# KiCad board the_moon_old.kicad_pcb
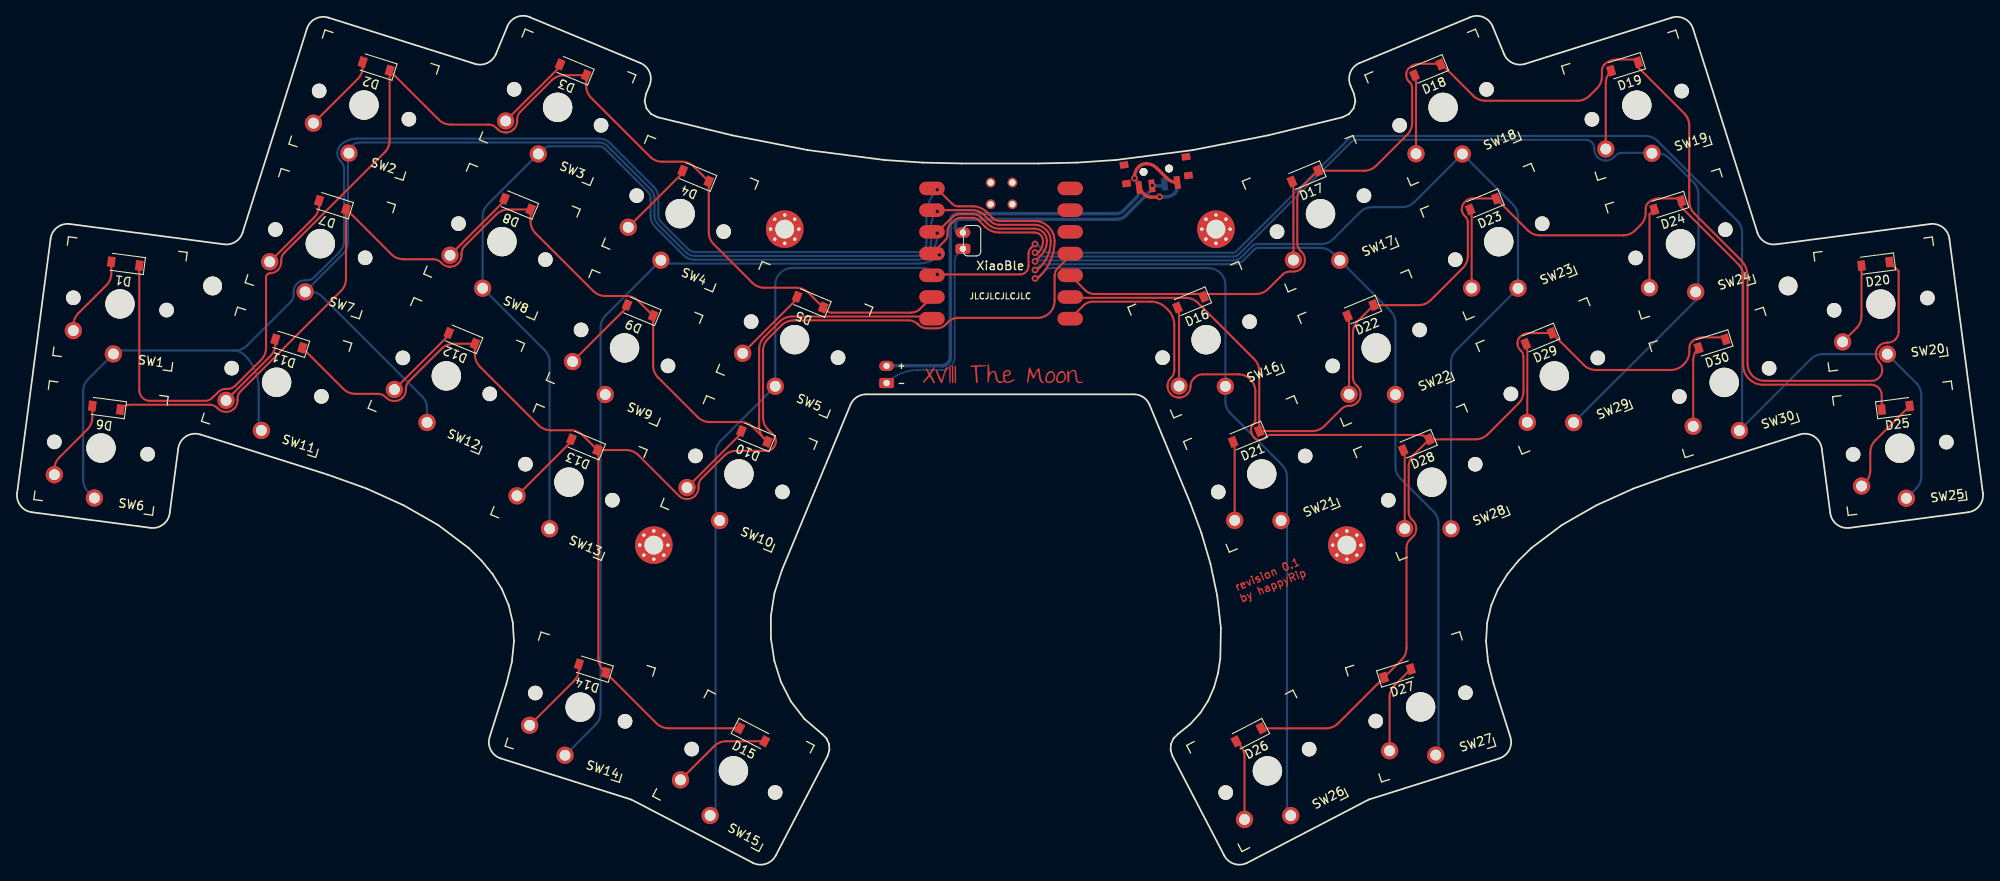
[diagram p0: board, top side]
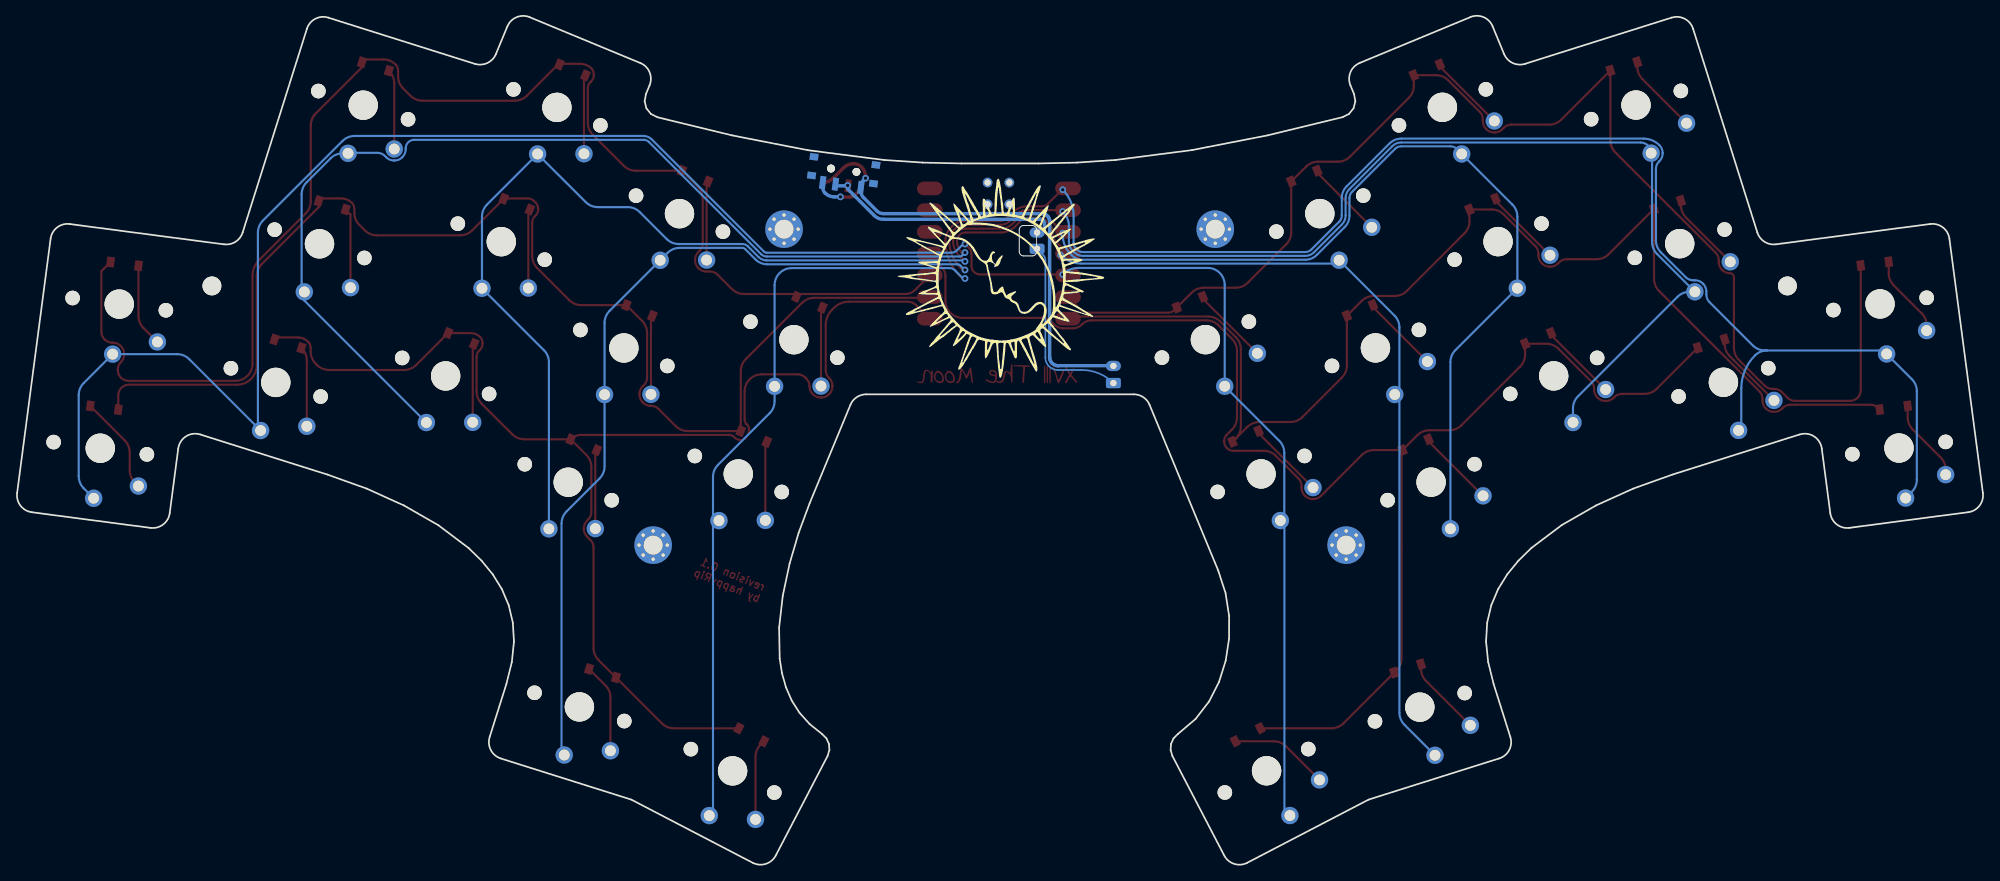
[diagram p1: board, bottom side, seen from below]

Outline 229.9 x 99.29 mm; copper layers: Top, Bottom. Coordinates in mm from the lower left corner of the outline.
Outline path: 57.34,98.05 56,94.81 arc(55,93.76) 53.55,93.67 36.41,99.07 arc(34.89,98.94) 33.9,97.77 26.39,73.94 arc(25.56,72.86) 24.22,72.56 6.18,74.94 arc(4.7,74.54) 3.93,73.21 0.02,43.47 arc(0.41,41.99) 1.74,41.23 15.62,39.4 arc(17.1,39.79) 17.86,41.12 18.86,48.67 arc(19.77,50.1) 21.44,50.32 36.34,45.62 40.9,43.99 45.24,42.02 49.26,39.72 52.8,37.05 54.32,35.57 55.63,33.96 56.71,32.23 57.5,30.35 57.98,28.31 58.11,26.1 57.87,23.71 57.23,21.13 55.27,14.93 arc(55.41,13.41) 56.58,12.43 71.84,7.61 86.03,0.23 arc(87.56,0.09) 88.73,1.08 94.79,12.71 95,13.4 94.95,14.12 94.65,14.78 94.14,15.29 92.09,17.04 90.5,19.09 89.33,21.39 88.56,23.86 88.16,26.44 88.16,29.09 88.57,31.76 89.44,34.42 97.46,53.78 arc(98.19,54.68) 99.3,55.02 130.59,55.02 arc(131.7,54.68) 132.44,53.78 137.21,42.27 138.49,38.82 139.56,35.19 140.35,31.46 140.78,27.72 140.71,24.1 140.44,22.38 139.97,20.74 139.3,19.19 138.38,17.76 137.21,16.45 135.75,15.28 135.24,14.78 134.94,14.12 134.9,13.4 135.11,12.71 141.17,1.08 arc(142.34,0.09) 143.86,0.23 158.06,7.61 173.32,12.43 arc(174.49,13.41) 174.62,14.93 172.67,21.13 172.03,23.71 171.78,26.1 171.91,28.31 172.39,30.35 173.19,32.23 174.26,33.96 175.58,35.57 177.1,37.05 180.64,39.72 184.65,42.02 188.99,43.99 193.56,45.62 208.45,50.32 arc(210.13,50.1) 211.04,48.67 212.03,41.12 arc(212.8,39.79) 214.28,39.4 228.16,41.23 arc(229.48,41.99) 229.88,43.47 225.96,73.21 arc(225.2,74.54) 223.72,74.94 205.67,72.56 arc(204.34,72.86) 203.51,73.94 195.99,97.77 arc(195.01,98.94) 193.48,99.07 176.34,93.67 arc(174.9,93.76) 173.89,94.81 172.55,98.05 arc(171.47,99.13) 169.94,99.13 157.01,93.77 arc(155.92,92.69) 155.92,91.16 156.35,90.13 156.5,89.29 156.29,88.47 155.76,87.81 155.01,87.43 146.25,85.3 137.42,83.58 128.5,82.43 123.99,82.12 119.45,82.02 110.45,82.02 105.92,82.12 101.42,82.43 92.49,83.58 83.66,85.3 74.89,87.43 74.13,87.81 73.6,88.48 73.4,89.3 73.55,90.13 73.97,91.16 arc(73.97,92.69) 72.89,93.77 59.96,99.13 ; 57.34,98.06 arc(58.43,99.14) 59.96,99.14
Stack: Top 0.035mm / dielectric 1.51mm FR4 er 4.5 / Bottom 0.035mm

## Placement (name value [footprint] x y rotation side)
D1  D  [D_SOD-123]  12.67 70.3 172.5 top
D2  D  [D_SOD-123]  42 93.38 162.5 top
D3  D  [D_SOD-123]  65.04 92.97 157.5 top
D4  D  [D_SOD-123]  79.37 80.54 157.5 top
D5  D  [D_SOD-123]  92.75 65.8 157.5 top
D6  D  [D_SOD-123]  10.45 53.44 172.5 top
D7  D  [D_SOD-123]  36.9 77.17 162.5 top
D8  D  [D_SOD-123]  58.53 77.27 157.5 top
D9  D  [D_SOD-123]  72.86 64.84 157.5 top
D10  D  [D_SOD-123]  86.24 50.09 157.5 top
D11  D  [D_SOD-123]  31.79 60.95 162.5 top
D12  D  [D_SOD-123]  52.02 61.56 157.5 top
D13  D  [D_SOD-123]  66.36 49.13 157.5 top
D14  D  [D_SOD-123]  67.29 22.95 162.5 top
D15  D  [D_SOD-123]  85.97 15.2 332.5 top
D16  D  [D_SOD-123]  137.23 65.79 202.5 top
D17  D  [D_SOD-123]  150.61 80.53 202.5 top
D18  D  [D_SOD-123]  164.94 92.97 202.5 top
D19  D  [D_SOD-123]  187.98 93.36 197.5 top
D20  D  [D_SOD-123]  217.32 70.27 187.5 top
D21  D  [D_SOD-123]  143.74 50.09 202.5 top
D22  D  [D_SOD-123]  157.12 64.82 202.5 top
D23  D  [D_SOD-123]  171.45 77.26 202.5 top
D24  D  [D_SOD-123]  193.03 77.13 197.5 top
D25  D  [D_SOD-123]  219.69 53.44 7.5 top
D26  D  [D_SOD-123]  144.02 15.19 207.5 top
D27  D  [D_SOD-123]  161.42 22.39 17.5 top
D28  D  [D_SOD-123]  163.62 49.12 202.5 top
D29  D  [D_SOD-123]  177.95 61.55 202.5 top
D30  D  [D_SOD-123]  198.2 60.94 197.5 top
G***  LOGO  [logo]  115.11 56.34 0 top
G***#2  LOGO  [logo]  115.11 56.36 0 top
G***#3  LOGO  [moon]  114.98 68.53 180 bottom
J1  Conn_01x02_Male  [JST_PH_S2B-PH-K_1x02_P2.00mm_Horizontal]  101.69 56.33 90 top
PSW1  SW_SPDT  [Power_reversible]  133.22 81.23 187.5 top
REF**  -  [MountingHole_2.2mm_M2_Pad_Via]  74.47 37.38 0 top
REF**#2  -  [MountingHole_2.2mm_M2]  22.88 67.69 0 top
REF**#3  -  [MountingHole_2.2mm_M2_Pad_Via]  89.78 74.33 0 top
REF**#4  -  [MountingHole_2.2mm_M2_Pad_Via]  140.2 74.33 0 top
REF**#5  -  [MountingHole_2.2mm_M2_Pad_Via]  155.51 37.38 0 top
REF**#6  -  [MountingHole_2.2mm_M2]  207.1 67.69 0 top
SW1  SW_PUSH  [SW_PG1350]  12.05 65.59 352.5 top
SW2  SW_PUSH  [SW_PG1350]  40.58 88.85 342.5 top
SW3  SW_PUSH  [SW_PG1350]  63.22 88.58 337.5 top
SW4  SW_PUSH  [SW_PG1350]  77.55 76.15 337.5 top
SW5  SW_PUSH  [SW_PG1350]  90.93 61.41 337.5 top
SW6  SW_PUSH  [SW_PG1350]  9.83 48.73 352.5 top
SW7  SW_PUSH  [SW_PG1350]  35.47 72.64 342.5 top
SW8  SW_PUSH  [SW_PG1350]  56.71 72.88 337.5 top
SW9  SW_PUSH  [SW_PG1350]  71.05 60.45 337.5 top
SW10  SW_PUSH  [SW_PG1350]  84.42 45.71 337.5 top
SW11  SW_PUSH  [SW_PG1350]  30.36 56.42 342.5 top
SW12  SW_PUSH  [SW_PG1350]  50.21 57.17 337.5 top
SW13  SW_PUSH  [SW_PG1350]  64.54 44.74 337.5 top
SW14  SW_PUSH  [SW_PG1350]  65.86 18.42 342.5 top
SW15  SW_PUSH  [SW_PG1350]  83.78 10.98 332.5 top
SW16  SW_PUSH  [SW_PG1350]  139.05 61.4 22.5 top
SW17  SW_PUSH  [SW_PG1350]  152.43 76.15 22.5 top
SW18  SW_PUSH  [SW_PG1350]  166.76 88.58 22.5 top
SW19  SW_PUSH  [SW_PG1350]  189.41 88.83 17.5 top
SW20  SW_PUSH  [SW_PG1350]  217.94 65.56 7.5 top
SW21  SW_PUSH  [SW_PG1350]  145.55 45.7 22.5 top
SW22  SW_PUSH  [SW_PG1350]  158.93 60.44 22.5 top
SW23  SW_PUSH  [SW_PG1350]  173.26 72.87 22.5 top
SW24  SW_PUSH  [SW_PG1350]  194.52 72.62 17.5 top
SW25  SW_PUSH  [SW_PG1350]  220.16 48.71 7.5 top
SW26  SW_PUSH  [SW_PG1350]  146.22 10.97 27.5 top
SW27  SW_PUSH  [SW_PG1350]  164.13 18.45 17.5 top
SW28  SW_PUSH  [SW_PG1350]  165.44 44.73 22.5 top
SW29  SW_PUSH  [SW_PG1350]  179.77 57.17 22.5 top
SW30  SW_PUSH  [SW_PG1350]  199.63 56.41 17.5 top
U1  XiaoBle  [XIAO_Ble]  114.98 71.46 0 top

## Library data of the parts
PSW1 = -: Field4: SW01
U1 = -: Field4: Bat-; Field5: GND; Field6: CLK; Field7: Bat+; Field8: DIO; Field9: RST

## Footprints (pads in the part's own frame, mm; a bottom-side part is the same pattern mirrored in y, then rotated)
D_SOD-123
  rect 0.9x1.2 smd: 1(-1.65,0) 2(1.65,0)
JST_PH_S2B-PH-K_1x02_P2.00mm_Horizontal
  rrect 1.2x1.75 hole 0.75: 1(0,0)
  oval 1.2x1.75 hole 0.75: 2(2,0)
MountingHole_2.2mm_M2
  round 2.2 hole 2.2 unplated: (0,0)
MountingHole_2.2mm_M2_Pad_Via
  round 0.7 hole 0.4: 1(-1.65,0) 1(-1.167,1.167) 1(-1.167,-1.167) 1(0,1.65) 1(0,-1.65) 1(1.167,1.167) 1(1.167,-1.167) 1(1.65,0)
  round 4.4 hole 2.2: 1(0,0)
Power_reversible
  rect 1x0.8 smd: (-3.65,1.1) (-3.65,-1.1) (3.65,1.1) (3.65,-1.1)
  rect 1x0.8 smd far side: (-3.65,1.1) (-3.65,-1.1) (3.65,1.1) (3.65,-1.1)
  round 0.9 hole 0.9 unplated: (-1.5,0) (-1.5,0) (1.5,0) (1.5,0)
  rect 0.7x1.5 smd: 1(-2.25,1.75) 2(0.75,1.75) 3(2.25,1.75)
  rect 0.7x1.5 smd far side: 1(2.25,1.75) 2(-0.75,1.75) 3(-2.25,1.75)
SW_PG1350
  round 1.702 hole 1.702 unplated: (-5.5,0) (5.5,0)
  round 3.429 hole 3.429 unplated: (0,0)
  round 2.032 hole 1.27: 1(0,-5.9) 2(-5,-3.8)
XIAO_Ble
  oval 3x1.6 smd: 1(-7.992,7.64) 2(-7.992,5.1) 3(-7.992,2.56) 4(-7.992,0.02) 5(-7.992,-2.52) 6(-7.992,-5.06) 7(-7.992,-7.6) 8(8.172,7.64) 9(8.172,5.1) 10(8.172,2.56) 11(8.172,0.02) 12(8.172,-2.52) 13(8.172,-5.06) 14(8.172,-7.6)
  round 1.143 hole 0.75: 15(-1.126,5.787) 16(1.414,5.787) 17(-1.126,8.327) 18(1.414,8.327)
  rrect 1.75x1.2 hole 0.75: 19(-4.375,0.578)
  oval 1.75x1.2 hole 0.75: 20(-4.375,2.478)

## Nets
Bat+: PSW1.2 U1.20
Bat-: J1.1 U1.19
Col 0: SW1.1 SW6.1 SW11.1 SW16.1 SW21.1 SW26.1 U1.1
Col 1: SW2.1 SW7.1 SW12.1 SW17.1 SW22.1 SW27.1 U1.2
Col 2: SW3.1 SW8.1 SW13.1 SW18.1 SW23.1 SW28.1 U1.3
Col 3: SW4.1 SW9.1 SW14.1 SW19.1 SW24.1 SW29.1 U1.4
Col 4: SW5.1 SW10.1 SW15.1 SW20.1 SW25.1 SW30.1 U1.5
Row 0: D1.1 D2.1 D3.1 D4.1 D5.1 U1.6
Row 1: D6.1 D7.1 D8.1 D9.1 D10.1 U1.7
Row 2: D11.1 D12.1 D13.1 D14.1 D15.1 U1.11
Row 3: D16.1 D17.1 D18.1 D19.1 D20.1 U1.12
Row 4: D21.1 D22.1 D23.1 D24.1 D25.1 U1.13
Row 5: D26.1 D27.1 D28.1 D29.1 D30.1 U1.14
Net-(D1-Pad2): D1.2 SW1.2
Net-(D2-Pad2): D2.2 SW2.2
Net-(D3-Pad2): D3.2 SW3.2
Net-(D4-Pad2): D4.2 SW4.2
Net-(D5-Pad2): D5.2 SW5.2
Net-(D6-Pad2): D6.2 SW6.2
Net-(D7-Pad2): D7.2 SW7.2
Net-(D8-Pad2): D8.2 SW8.2
Net-(D9-Pad2): D9.2 SW9.2
Net-(D10-Pad2): D10.2 SW10.2
Net-(D11-Pad2): D11.2 SW11.2
Net-(D12-Pad2): D12.2 SW12.2
Net-(D13-Pad2): D13.2 SW13.2
Net-(D14-Pad2): D14.2 SW14.2
Net-(D15-Pad2): D15.2 SW15.2
Net-(D16-Pad2): D16.2 SW16.2
Net-(D17-Pad2): D17.2 SW17.2
Net-(D18-Pad2): D18.2 SW18.2
Net-(D19-Pad2): D19.2 SW19.2
Net-(D20-Pad2): D20.2 SW20.2
Net-(D21-Pad2): D21.2 SW21.2
Net-(D22-Pad2): D22.2 SW22.2
Net-(D23-Pad2): D23.2 SW23.2
Net-(D24-Pad2): D24.2 SW24.2
Net-(D25-Pad2): D25.2 SW25.2
Net-(D26-Pad2): D26.2 SW26.2
Net-(D27-Pad2): D27.2 SW27.2
Net-(D28-Pad2): D28.2 SW28.2
Net-(D29-Pad2): D29.2 SW29.2
Net-(D30-Pad2): D30.2 SW30.2
Net-(J1-Pad2): J1.2 PSW1.1

Pads without a net: PSW1 3; REF** 1; REF**#3 1; REF**#4 1; REF**#5 1; U1 8 9 10 15 16 17 18

## Via types
v1: diameter 0.8, hole 0.4, Top to Bottom, 13 vias

## Routing (per net, layer and track width the routed paths; a pad name or vN(x,y) marks a point on that pad's centre or on a via; arc(x,y) is an arc through that point)
Bat+: length 28.7
  Top w0.2: v1(132.76,79.45) 132.76,79.26 132.71,79.2
  Bottom w0.2: 110.69,73.86 110.69,73.94 U1.20 ; v1(132.76,79.45) 132.81,79.4
  Bottom w0.4: 132.81,79.4 134.19,79.4 ; v1(132.76,79.45) 132.76,79.04 129.64,75.92 arc(129.17,75.6) 128.6,75.49 110.2,75.49 arc(109.88,75.35) 109.75,75.03 109.75,74.39 arc(109.88,74.07) 110.2,73.94 110.59,73.94
Bat-: length 22.3
  Bottom w0.2: U1.19 109.94,71.36 arc(109.72,71.04) 109.65,70.66 109.65,59.32 arc(109.22,58.29) 108.19,57.86 105.38,57.86 arc(103.38,57.47) J1.1
Col 0: length 269.9
  Top w0.25: v1(119.04,68.56) 119.33,68.56 119.66,68.89 arc(120.9,70.74) 121.33,72.92 arc(120.64,74.6) 118.96,75.29 114.86,75.29 arc(114.47,75.37) 114.15,75.59 113.42,76.31 arc(112.65,76.83) 111.75,77.01 110.06,77.01 arc(109.68,77.08) 109.35,77.3 107.56,79.1 U1.1 107.15,78.94 v1(107.61,78.94)
  Bottom w0.25: 25.25,60.15 25.51,60.15 arc(26.27,60.3) 26.92,60.73 31.99,65.8 arc(32.26,66.21) 32.36,66.69 32.36,67.05 arc(32.45,67.53) 32.72,67.93 32.77,67.99 arc(33.18,68.26) 33.66,68.35 33.88,68.35 arc(34.36,68.45) 34.77,68.72 37.67,71.62 arc(38.1,72.27) 38.25,73.03 38.25,81.37 arc(38.16,81.84) 37.89,82.25 37.83,82.3 arc(37.56,82.71) 37.47,83.19 37.47,83.26 arc(37.56,83.74) 37.83,84.15 arc(38.7,84.72) 39.71,84.92 68.04,84.92 arc(68.77,84.78) 69.39,84.36 74.42,79.33 arc(74.84,78.71) 74.99,77.97 74.99,75.92 arc(75.06,75.54) 75.28,75.21 78.54,71.95 arc(78.87,71.73) 79.25,71.66 105.28,71.66 arc(105.63,71.73) 105.93,71.92 106.08,72.07 arc(106.27,72.37) 106.34,72.72 106.34,75.88 arc(106.67,77.54) v1(107.61,78.94) ; 25.25,60.15 11.69,60.15 SW1.1 8.32,56.79 arc(7.89,56.14) 7.74,55.37 7.74,45.03 arc(7.89,44.27) 8.32,43.62 SW6.1 ; 25.25,60.15 arc(26.02,60) 26.67,59.56 arc(27.85,57.79) 28.27,55.69 28.27,51.11 SW11.1 ; v1(119.04,68.56) 119.26,68.56 120.21,69.51 arc(120.51,69.71) 120.86,69.78 139.31,69.78 arc(140.72,69.19) 141.31,67.78 SW16.1 141.31,54.21 arc(141.46,53.44) 141.89,52.79 147.92,46.76 arc(148.36,46.12) 148.51,45.35 148.51,40.94 SW21.1 148.51,39.55 148.51,6.18 SW26.1
Col 1: length 240.7
  Top w0.25: v1(107.61,76.4) 107.15,76.4 U1.2 111.75,76.56 arc(112.48,76.41) 113.1,76 113.83,75.27 arc(114.3,74.95) 114.86,74.84 118.97,74.84 arc(120.32,74.28) 120.88,72.93 arc(120.55,71.27) 119.61,69.87 119.31,69.56 v1(119.04,69.56)
  Bottom w0.25: v1(119.04,69.56) 119.07,69.56 119.6,70.1 arc(119.75,70.2) 119.93,70.23 142.21,70.23 arc(142.91,70.37) 143.51,70.77 144.75,72.01 arc(144.9,72.11) 145.07,72.15 152.4,72.15 arc(153.17,71.99) 153.82,71.56 SW17.1 160.6,64.78 arc(161.04,64.13) 161.19,63.36 SW22.1 161.19,46.58 arc(161.34,45.82) 161.77,45.17 165.63,41.31 arc(166.07,40.66) 166.22,39.9 166.22,13.14 SW27.1 ; SW12.1 47.95,53.37 arc(47.8,54.13) 47.36,54.78 35.72,66.43 arc(35.07,66.86) 34.3,67.01 SW7.1 38.12,71.43 arc(38.55,72.08) 38.7,72.85 38.7,83.12 SW2.1 arc(39.17,84.11) 40.06,84.47 68.04,84.47 arc(68.6,84.36) 69.07,84.05 74.11,79.01 arc(74.42,78.54) 74.54,77.98 74.54,75.92 arc(74.65,75.37) 74.96,74.89 78.22,71.63 arc(78.69,71.32) 79.25,71.21 105.28,71.21 arc(105.8,71.31) 106.25,71.61 106.49,71.85 arc(106.79,72.3) 106.89,72.82 106.89,74.66 arc(107.08,75.6) v1(107.61,76.4)
Col 2: length 229.3
  Top w0.25: v1(119.04,70.56) 119.73,71.25 arc(120.25,72.02) 120.43,72.94 arc(120,73.97) 118.97,74.39 114.86,74.39 arc(114.13,74.54) 113.51,74.95 112.78,75.68 arc(112.31,76) 111.75,76.11 110.33,76.11 arc(109.78,76) 109.3,75.68 107.64,74.02 U1.3 107.15,73.86 v1(107.61,73.86)
  Bottom w0.25: SW28.1 167.69,58.76 arc(167.85,59.53) 168.28,60.18 SW23.1 175.52,75.79 arc(175.37,76.56) 174.94,77.21 SW18.1 163.39,77.5 arc(162.74,77.06) 161.97,76.91 158.48,76.91 arc(157.72,76.76) 157.07,76.33 153.92,73.18 arc(153.27,72.75) 152.51,72.59 145.08,72.59 arc(144.73,72.53) 144.43,72.33 143.19,71.08 arc(142.74,70.78) 142.22,70.68 119.16,70.68 v1(119.04,70.56) ; SW13.1 62.28,58.77 arc(62.13,59.54) 61.7,60.19 SW8.1 54.45,75.8 arc(54.61,76.57) 55.04,77.21 SW3.1 61.56,83.73 arc(61.88,83.95) 62.27,84.02 68.04,84.02 arc(68.42,83.95) 68.75,83.73 73.79,78.69 arc(74.01,78.36) 74.09,77.98 74.09,75.93 arc(74.23,75.19) 74.65,74.57 77.9,71.32 arc(78.52,70.9) 79.26,70.76 105.27,70.76 arc(105.97,70.9) 106.57,71.29 106.68,71.41 arc(107.37,72.44) 107.61,73.66 v1(107.61,73.86)
Col 3: length 235.2
  Top w0.25: v1(119.04,71.6) 119.41,71.6 119.43,71.62 arc(119.84,72.23) 119.98,72.94 arc(119.69,73.65) 118.98,73.94 114.87,73.94 arc(113.96,74.12) 113.19,74.64 112.46,75.37 arc(112.14,75.58) 111.76,75.66 110.33,75.66 arc(109.95,75.58) 109.62,75.37 109.11,74.85 arc(108.89,74.53) 108.82,74.15 108.82,73.72 arc(108.74,73.33) 108.52,73.01 U1.4 107.15,71.32 v1(107.87,71.32)
  Bottom w0.25: SW29.1 196.29,65.98 SW24.1 196.61,67.31 196.61,78.4 arc(196.46,79.17) 196.02,79.82 193.22,82.62 arc(192.57,83.06) 191.8,83.21 SW19.1 191.13,83.26 187.75,83.26 arc(187.27,83.17) 186.87,82.9 186.7,82.73 arc(186.3,82.46) 185.82,82.37 185.74,82.37 arc(185.27,82.46) 184.86,82.73 184.81,82.79 arc(184.54,83.19) 184.44,83.67 184.44,83.79 arc(184.15,84.49) 183.44,84.79 156.63,84.79 arc(156.28,84.72) 155.99,84.52 142.87,71.4 arc(142.57,71.2) 142.22,71.13 119.7,71.13 arc(119.52,71.16) 119.38,71.26 v1(119.04,71.6) ; SW14.1 67.66,16.37 arc(68.09,17.02) 68.24,17.79 68.24,54.45 SW9.1 68.24,55.54 68.24,62.82 arc(68.4,63.59) 68.83,64.24 SW4.1 75.69,70.31 105.42,70.31 arc(106.74,70.57) v1(107.87,71.32)
Col 4: length 257.4
  Top w0.25: U1.5 107.09,69.04 v1(107.61,69.04) 117.28,69.04 arc(117.99,69.33) 118.28,70.04 118.28,71.44 arc(118.36,71.83) 118.57,72.15 119.02,72.59 v1(119.04,72.59)
  Bottom w0.25: v1(119.04,72.59) 119.25,72.59 119.99,71.85 arc(120.29,71.65) 120.64,71.58 142.22,71.58 arc(142.4,71.61) 142.55,71.71 155.67,84.83 arc(156.11,85.13) 156.64,85.24 190.41,85.24 arc(191.18,85.08) 191.82,84.65 201.14,75.34 arc(201.57,74.69) 201.72,73.93 201.72,51.1 SW30.1 209.75,59.13 arc(210.4,59.56) 211.17,59.72 SW20.1 222.09,56.33 arc(222.52,55.68) 222.68,54.92 222.68,45.44 arc(222.52,44.67) 222.09,44.02 SW25.1 ; SW15.1 81.69,6.39 81.69,39.78 SW10.1 81.71,40.71 81.71,48.17 arc(81.86,48.93) 82.29,49.58 SW5.1 88.67,67.8 arc(89.26,69.21) 90.67,69.8 105.77,69.8 arc(106.77,69.6) v1(107.61,69.04)
Row 0: length 157.8
  Top w0.25: D1.1 14.3,55.5 arc(14.67,54.61) 15.55,54.25 21.98,54.25 arc(22.46,54.34) 22.86,54.61 23.53,55.28 arc(23.93,55.55) 24.41,55.64 24.63,55.64 arc(25.11,55.74) 25.52,56.01 28.54,59.04 arc(28.98,59.68) 29.13,60.45 29.13,68.71 arc(29.27,69.04) 29.6,69.18 arc(30.07,69.27) 30.48,69.54 30.53,69.6 arc(30.8,70) 30.9,70.48 30.9,70.7 arc(30.99,71.18) 31.27,71.59 42.99,83.31 43.08,83.41 43.24,83.61 43.37,83.84 43.47,84.08 43.54,84.33 43.57,84.59 43.57,84.73 D2.1 49.31,87.15 arc(49.96,86.72) 50.73,86.56 55.15,86.56 arc(55.63,86.47) 56.04,86.2 56.22,86.01 arc(56.63,85.74) 57.11,85.65 57.18,85.65 arc(57.66,85.74) 58.07,86.01 58.12,86.07 arc(58.39,86.47) 58.48,86.95 58.48,87.17 arc(58.58,87.65) 58.85,88.06 62.55,91.76 arc(63.2,92.19) 63.96,92.34 D3.1 66.56,91.11 arc(66.71,90.34) 67.15,89.69 74.03,82.81 arc(74.68,82.38) 75.45,82.22 77.75,82.22 arc(78.52,82.07) 79.17,81.64 D4.1 80.89,73.98 arc(81.05,73.22) 81.48,72.57 85.98,68.07 arc(86.63,67.63) 87.39,67.48 91.13,67.48 arc(91.89,67.33) 92.54,66.9 D5.1 94.58,64.86 arc(94.9,64.64) 95.29,64.57 104.54,64.57 arc(105.11,64.68) 105.6,65.01 U1.6
Row 1: length 146.8
  Top w0.25: D6.1 12.29,53.43 arc(12.69,53.7) 13.17,53.8 22.54,53.8 arc(23.02,53.7) 23.42,53.43 23.53,53.33 arc(23.93,53.06) 24.41,52.96 24.48,52.96 arc(24.96,53.06) 25.37,53.33 25.42,53.38 arc(25.69,53.79) 25.79,54.27 25.79,54.49 arc(25.88,54.97) 26.15,55.37 37.89,67.11 arc(38.32,67.76) 38.47,68.52 D7.1 38.51,76.67 43.78,71.4 arc(44.43,70.97) 45.2,70.82 48.69,70.82 arc(49.17,70.72) 49.57,70.45 49.72,70.31 arc(50.12,70.04) 50.6,69.94 50.68,69.94 arc(51.15,70.04) 51.56,70.31 51.61,70.36 arc(51.88,70.77) 51.98,71.24 51.98,71.47 arc(52.07,71.95) 52.35,72.35 56.04,76.05 arc(56.69,76.48) 57.46,76.64 D8.1 60.05,75.26 arc(60.21,74.5) 60.64,73.85 67.38,67.1 arc(68.03,66.67) 68.8,66.52 71.25,66.52 arc(72.01,66.37) 72.66,65.93 D9.1 74.39,58.39 arc(74.54,57.62) 74.97,56.97 79.59,52.36 arc(80.23,51.93) 81,51.78 84.62,51.78 arc(85.39,51.62) 86.04,51.19 D10.1 87.37,49.86 arc(86.94,50.51) 86.79,51.27 86.79,60.28 arc(86.94,61.05) 87.37,61.7 89.21,63.53 arc(89.86,63.97) 90.62,64.12 106.73,64.12 U1.7
Row 2: length 172.3
  Top w0.25: U1.11 123.16,71.23 121.69,69.76 arc(121.42,69.37) 121.33,68.9 121.33,65.96 arc(120.75,64.54) 119.33,63.96 110,63.96 arc(109.43,63.84) 108.94,63.52 108.6,63.17 arc(108.11,62.85) 107.54,62.73 106.45,62.73 arc(105.87,62.85) 105.39,63.17 105.33,63.23 arc(104.84,63.55) 104.27,63.67 90.81,63.67 arc(90.04,63.52) 89.39,63.08 87.82,61.51 arc(87.39,60.86) 87.24,60.09 87.24,52.31 arc(87.39,51.54) 87.82,50.89 88.44,50.27 arc(88.66,49.95) 88.74,49.57 88.74,49.48 arc(88.66,49.09) 88.44,48.77 88.38,48.7 arc(88.05,48.49) 87.67,48.41 84.12,48.41 arc(83.35,48.26) 82.7,47.83 80.06,45.18 arc(79.79,44.77) 79.69,44.3 79.69,44.07 arc(79.59,43.59) 79.32,43.19 79.27,43.13 arc(78.87,42.86) 78.39,42.77 78.31,42.77 arc(77.83,42.86) 77.43,43.13 72.65,47.91 arc(72,48.35) 71.24,48.5 D13.1 ; D13.1 66.15,50.23 arc(65.51,50.66) 64.74,50.81 62.41,50.81 arc(61.64,50.96) 60.99,51.4 54.13,58.26 arc(53.7,58.9) 53.55,59.67 D12.1 51.06,60.93 arc(50.29,60.78) 49.64,60.34 45.84,56.54 arc(45.57,56.13) 45.47,55.66 45.47,55.54 arc(45.38,55.06) 45.11,54.65 45.05,54.6 arc(44.65,54.33) 44.17,54.23 44.1,54.23 arc(43.62,54.33) 43.21,54.6 43.11,54.7 arc(42.7,54.97) 42.23,55.07 39.58,55.07 arc(38.81,55.22) 38.16,55.65 D11.1 ; D13.1 67.99,48.39 67.99,24.16 arc(68.14,23.39) 68.58,22.74 D14.1 74.77,16.55 arc(75.42,16.11) 76.19,15.96 D15.1
Row 3: length 165.8
  Top w0.25: D18.1 166.39,93.68 164.03,93.68 arc(163.33,93.54) 162.74,93.14 arc(162.52,92.82) 162.45,92.44 162.45,92.35 arc(162.52,91.96) 162.74,91.64 162.85,91.53 arc(163.07,91.2) 163.14,90.82 163.14,86.79 arc(162.99,86.02) 162.56,85.37 158.93,81.75 arc(158.29,81.32) 157.52,81.17 D17.1 150.3,79.33 arc(149.86,78.68) 149.71,77.91 149.71,72.69 arc(149.8,72.21) 150.08,71.8 150.23,71.64 arc(150.51,71.24) 150.6,70.76 150.6,70.68 arc(150.51,70.21) 150.23,69.8 150.18,69.75 arc(149.78,69.48) 149.3,69.38 148.86,69.38 arc(148.38,69.29) 147.98,69.02 146.3,67.34 arc(145.65,66.9) 144.89,66.75 139.08,66.75 D16.1 138.43,66.75 125.96,66.75 arc(125.39,66.87) 124.9,67.19 U1.12 ; 167.05,93.17 170.27,89.94 arc(170.92,89.51) 171.69,89.36 182.48,89.36 arc(183.24,89.51) 183.89,89.94 184.75,90.8 arc(185.18,91.45) 185.33,92.21 185.33,92.89 arc(185.41,93.27) 185.63,93.59 arc(186.28,94.03) 187.05,94.18 189.23,94.18 D19.1 189.55,93.27 194.96,87.87 195.05,87.77 195.21,87.57 195.34,87.34 195.44,87.1 195.51,86.84 195.54,86.58 195.54,86.45 195.54,77.59 arc(195.69,76.82) 196.13,76.18 201.58,70.73 arc(202.15,69.86) 202.36,68.85 202.36,58.59 arc(202.94,57.18) 204.36,56.59 216.85,56.59 arc(217.74,56.96) 218.1,57.84 218.1,57.91 arc(218.01,58.38) 217.74,58.79 217.73,58.79 arc(217.46,59.2) 217.37,59.68 217.37,59.75 arc(217.46,60.23) 217.73,60.64 217.79,60.69 arc(218.19,60.96) 218.67,61.06 218.75,61.06 arc(219.23,61.15) 219.63,61.42 219.66,61.45 arc(219.93,61.86) 220.03,62.34 220.03,69.42 D20.1
Row 4: length 150.4
  Top w0.25: U1.13 123.25,66.3 136.68,66.3 arc(137.44,66.15) 138.09,65.72 144.67,59.13 arc(145.11,58.48) 145.26,57.72 D21.1 151.46,50.72 arc(152.22,50.87) 152.87,51.3 154.88,53.31 arc(155.28,53.58) 155.76,53.68 155.8,53.68 arc(156.28,53.77) 156.69,54.04 156.74,54.09 arc(157.01,54.5) 157.11,54.98 157.11,55.05 arc(157.01,55.53) 156.74,55.94 156.58,56.1 arc(156.31,56.5) 156.21,56.98 156.21,62.2 arc(156.37,62.96) 156.8,63.61 D22.1 163.9,65.45 arc(164.67,65.6) 165.32,66.04 169.06,69.78 arc(169.5,70.43) 169.65,71.2 169.65,75.12 arc(169.57,75.5) 169.36,75.82 169.25,75.93 arc(169.03,76.26) 168.95,76.64 168.95,76.73 arc(169.03,77.11) 169.25,77.44 169.44,77.64 arc(169.77,77.85) 170.15,77.93 172.93,77.93 D23.1 176.67,74.2 arc(177.31,73.76) 178.08,73.61 187.81,73.61 arc(188.58,73.76) 189.23,74.2 189.86,74.83 arc(190.29,75.48) 190.44,76.24 190.44,76.71 arc(190.52,77.1) 190.74,77.42 arc(191.3,77.8) 191.97,77.93 194.31,77.93 D24.1 194.61,76.91 201.26,70.26 201.35,70.16 201.51,69.96 201.64,69.73 201.74,69.49 201.81,69.24 201.85,68.98 201.85,68.84 201.85,58.46 arc(202.53,56.82) 204.16,56.14 216.8,56.14 arc(217.68,55.78) 218.05,54.89 D25.1
Row 5: length 157.7
  Top w0.25: D28.1 163.32,47.93 arc(162.88,47.28) 162.73,46.51 162.73,41.26 arc(162.83,40.78) 163.1,40.38 163.25,40.23 arc(163.52,39.83) 163.61,39.35 163.61,39.27 arc(163.52,38.79) 163.25,38.39 162.84,37.99 arc(162.57,37.58) 162.48,37.1 162.48,25.35 arc(162.33,24.59) 161.89,23.94 D27.1 154.49,16.54 arc(153.84,16.1) 153.08,15.95 D26.1 ; D28.1 170.56,49.75 arc(171.32,49.91) 171.97,50.34 175.57,53.94 arc(176,54.58) 176.16,55.35 176.16,59.41 arc(176.08,59.79) 175.86,60.12 175.75,60.23 arc(175.53,60.55) 175.46,60.94 175.46,61.02 arc(175.53,61.41) 175.75,61.73 arc(176.25,62.06) 176.83,62.18 179.47,62.18 D29.1 183.21,58.45 arc(183.86,58.01) 184.63,57.86 193.4,57.86 arc(194.16,58.01) 194.81,58.45 194.97,58.61 arc(195.4,59.25) 195.56,60.02 195.56,60.46 arc(195.63,60.84) 195.85,61.17 arc(196.41,61.54) 197.07,61.67 199.54,61.67 D30.1 ; D28.1 arc(164.57,50.14) 163.9,50.27 146.61,50.27 arc(146.32,50.21) 146.08,50.05 146.01,49.98 arc(145.66,49.75) 145.25,49.67 arc(144.96,49.72) 144.72,49.89 arc(144.4,50.36) 144.29,50.92 arc(144.35,51.21) 144.51,51.45 144.59,51.54 arc(144.75,51.78) 144.81,52.07 144.81,55.35 arc(144.22,56.77) 142.81,57.35 138.61,57.35 arc(138.13,57.26) 137.73,56.99 137.59,56.85 arc(137.32,56.44) 137.22,55.97 137.22,55.94 arc(137.13,55.46) 136.86,55.06 136.8,55.01 arc(136.4,54.74) 135.92,54.64 135.85,54.64 arc(135.37,54.74) 134.96,55.01 134.91,55.06 arc(134.64,55.46) 134.54,55.94 134.54,56.02 arc(134.64,56.5) 134.91,56.9 134.96,56.95 arc(135.23,57.36) 135.33,57.84 135.33,63.13 arc(135.14,64.09) 134.6,64.9 134.37,65.12 arc(133.56,65.66) 132.61,65.85 125.77,65.85 arc(125.2,65.74) 124.71,65.41 U1.14
Net-(D1-Pad2): length 9.7
  Top w0.25: SW1.2 6.59,63.08 arc(6.75,63.85) 7.18,64.5 10.45,67.76 arc(10.88,68.41) 11.03,69.18 D1.2
Net-(D2-Pad2): length 9.4
  Top w0.25: SW2.2 39.84,91.9 arc(40.27,92.55) 40.43,93.32 D2.2
Net-(D3-Pad2): length 9.3
  Top w0.25: SW3.2 63.51,93.35 D3.2
Net-(D4-Pad2): length 9.3
  Top w0.25: D4.2 77.85,80.92 SW4.2
Net-(D5-Pad2): length 9.3
  Top w0.25: SW5.2 91.22,66.18 D5.2
Net-(D6-Pad2): length 9.7
  Top w0.25: D6.2 8.81,52.32 arc(8.66,51.56) 8.23,50.91 4.96,47.64 arc(4.53,46.99) 4.37,46.23 SW6.2
Net-(D7-Pad2): length 9.4
  Top w0.25: D7.2 35.32,77.11 arc(35.17,76.35) 34.74,75.7 SW7.2
Net-(D8-Pad2): length 9.3
  Top w0.25: D8.2 57.01,77.65 SW8.2
Net-(D9-Pad2): length 9.3
  Top w0.25: D9.2 71.34,65.22 SW9.2
Net-(D10-Pad2): length 9.3
  Top w0.25: SW10.2 84.72,50.48 D10.2
Net-(D11-Pad2): length 9.4
  Top w0.25: D11.2 30.21,60.9 arc(30.06,60.13) 29.63,59.48 SW11.2
Net-(D12-Pad2): length 9.3
  Top w0.25: SW12.2 50.5,61.94 D12.2
Net-(D13-Pad2): length 9.3
  Top w0.25: D13.2 64.83,49.51 SW13.2
Net-(D14-Pad2): length 9.4
  Top w0.25: SW14.2 65.13,21.48 arc(65.56,22.13) 65.71,22.9 D14.2
Net-(D15-Pad2): length 11.6
  Top w0.25: SW15.2 81.52,13.85 arc(82.16,14.28) 82.93,14.44 D15.2
Net-(D16-Pad2): length 9.3
  Top w0.25: SW16.2 135.88,64.98 D16.2
Net-(D17-Pad2): length 9.3
  Top w0.25: D17.2 149.26,79.73 SW17.2
Net-(D18-Pad2): length 9.3
  Top w0.25: D18.2 163.59,92.16 SW18.2
Net-(D19-Pad2): length 9.3
  Top w0.25: D19.2 186.37,92.83 arc(185.93,92.18) 185.78,91.42 SW19.2
Net-(D20-Pad2): length 9.7
  Top w0.25: SW20.2 215.1,62.76 arc(215.53,63.41) 215.68,64.18 D20.2
Net-(D21-Pad2): length 9.3
  Top w0.25: SW21.2 142.39,49.28 D21.2
Net-(D22-Pad2): length 9.2
  Top w0.25: D22.2 155.77,64.01 SW22.2
Net-(D23-Pad2): length 9.3
  Top w0.25: SW23.2 170.1,76.45 D23.2
Net-(D24-Pad2): length 9.4
  Top w0.25: SW24.2 190.89,76.07 D24.2
Net-(D25-Pad2): length 11.5
  Top w0.25: D25.2 217.3,49.63 arc(216.86,48.98) 216.71,48.22 216.71,46.13 arc(216.56,45.37) 216.13,44.72 SW25.2
Net-(D26-Pad2): length 9.4
  Top w0.25: D26.2 142.95,14.04 arc(143.39,13.39) 143.54,12.62 SW26.2
Net-(D27-Pad2): length 10.5
  Top w0.25: D27.2 161.09,20.98 arc(160.66,20.33) 160.5,19.57 SW27.2
Net-(D28-Pad2): length 9.3
  Top w0.25: D28.2 162.27,48.31 SW28.2
Net-(D29-Pad2): length 9.3
  Top w0.25: SW29.2 176.6,60.75 D29.2
Net-(D30-Pad2): length 9.3
  Top w0.25: SW30.2 196.01,58.99 arc(196.16,59.76) 196.59,60.4 D30.2
Net-(J1-Pad2): length 56.6
  Top w0.25: v1(130.67,80.29) 130.67,80.45
  Top w0.4: 130.67,80.45 arc(130.8,81.08) 131.15,81.62 arc(131.56,81.9) 132.05,81.99 arc(132.71,81.86) 133.26,81.49 134.46,80.3 arc(135.02,79.92) PSW1.1
  Bottom w0.25: 131.22,79.01 131.22,79.75
  Bottom w0.4: 131.22,79.75 v1(130.67,80.29) ; PSW1.1 131.22,78.76 arc(131.14,78.37) 130.93,78.05 129.32,76.44 arc(129,76.23) 128.61,76.15 110.06,76.15 109.97,76.15 109.79,76.11 109.63,76.05 109.48,75.95 109.35,75.82 109.25,75.67 109.18,75.5 109.15,75.33 109.15,75.24 109.15,59.36 109.15,59.27 109.11,59.1 109.06,58.94 108.97,58.79 108.86,58.65 108.72,58.54 108.57,58.45 108.41,58.39 108.23,58.36 108.15,58.36 101.72,58.36 J1.2
unconnected-(PSW1-Pad3): length 5.8
  Top w0.25: v1(133.6,78.11) 133.58,78.09
  Top w0.4: 131.22,79.01 131.84,78.38 arc(132.17,78.16) 132.55,78.09 133.58,78.09
  Bottom w0.4: 135.68,79.59 135.68,79.21 arc(135.61,78.87) 135.41,78.57 135.39,78.55 arc(134.91,78.22) 134.34,78.11 v1(133.6,78.11)

## Text on the board
Top: revision 0.1 / by happyRip
F.Mask: revision 0.1 / by happyRip
F.Silkscreen: JLCJLCJLCJLC | + | -
